# Altium PCB PCB2.PcbDoc
Units mil, origin at the board's own origin, x right, y up, seen from the top; angles counter-clockwise.
Board outline 6000 x 4000 mil, 2 copper layers (Top Layer, Bottom Layer); 163 components, 121 nets, 543 pads, 9 vias.
Unrouted connection lines stored in the file: 224.
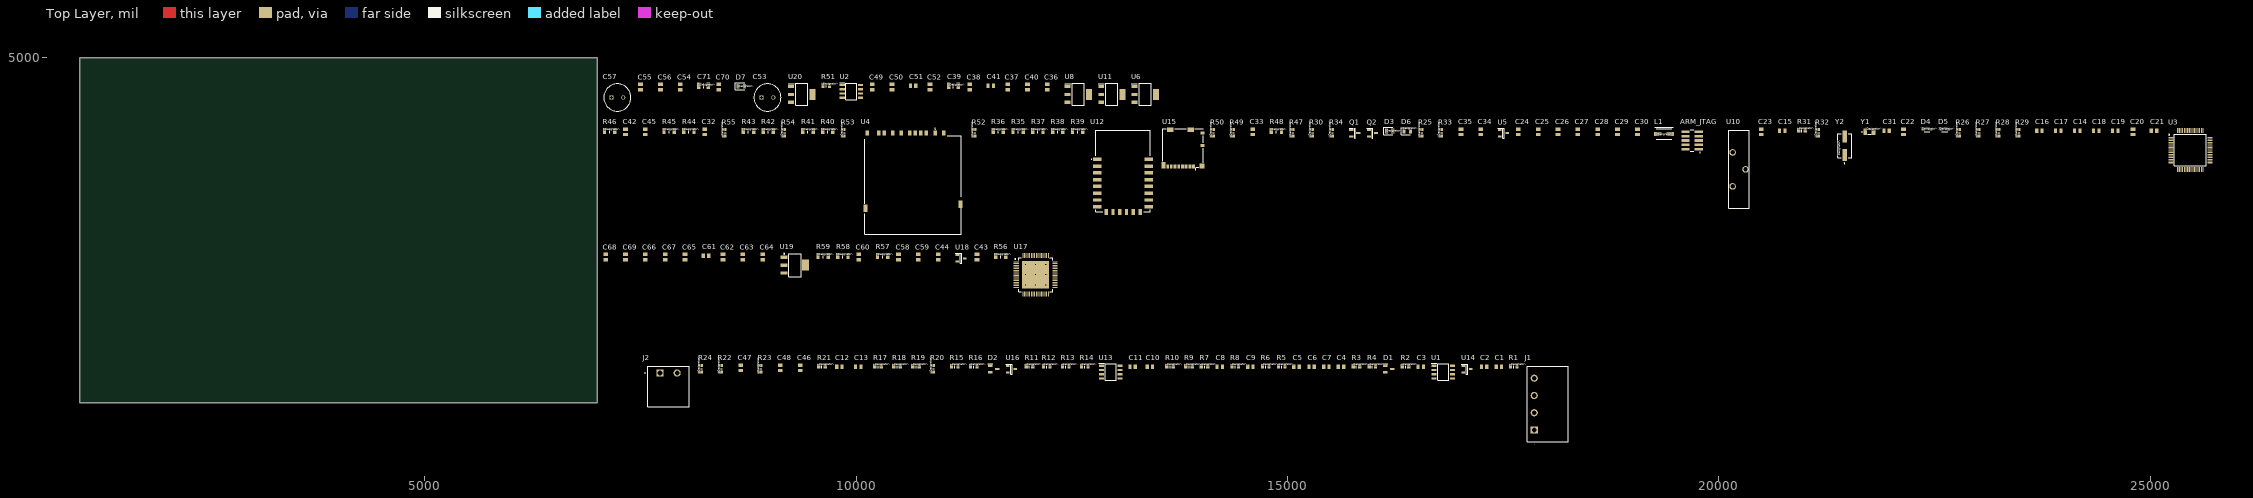
[diagram p0: Top Layer view]
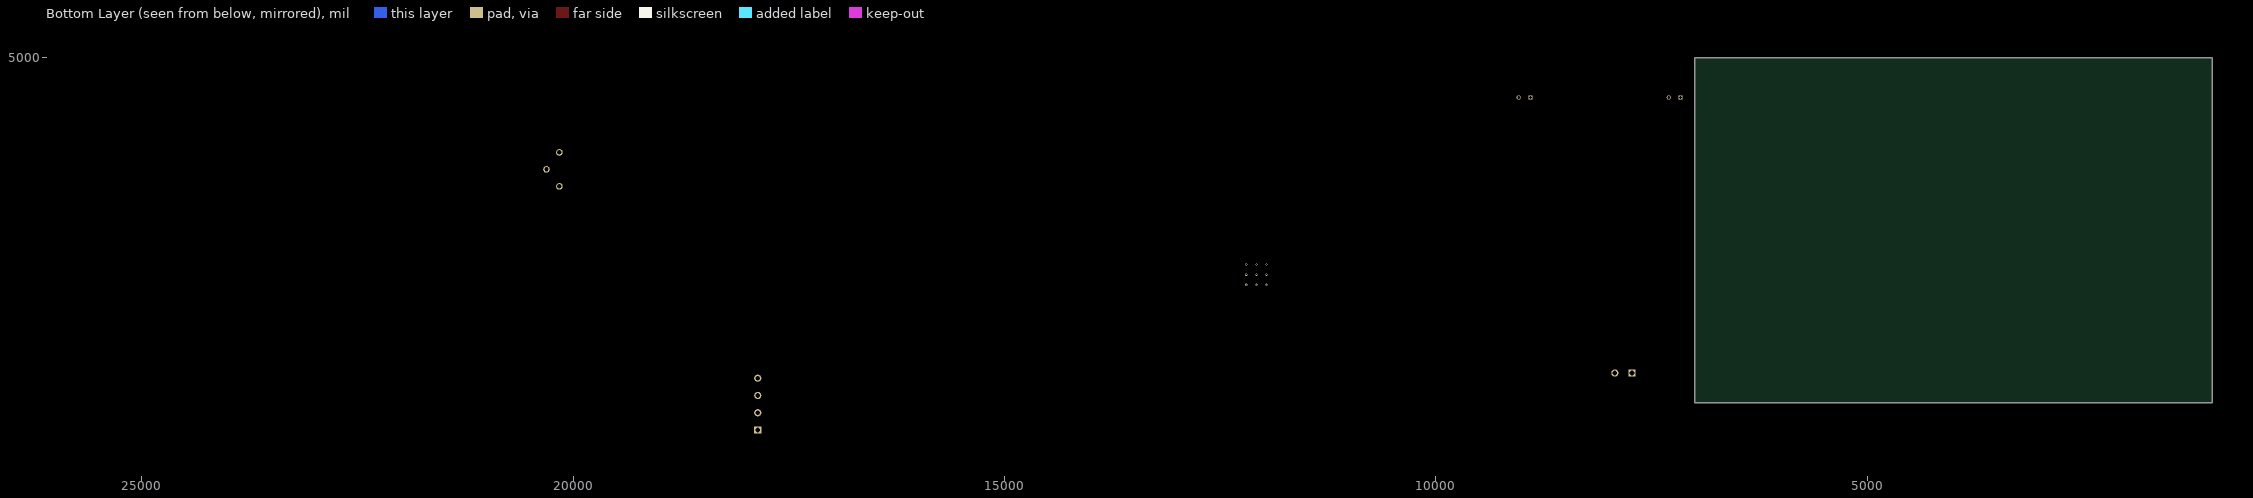
[diagram p1: Bottom Layer view, seen from below]

## Layer stack, top to bottom
Top Solder: solder mask 0.4, Solder Resist, Dk 3.5
Top Layer: signal copper 1.4
Dielectric 1: dielectric 12.6, FR-4, Dk 4.8
Bottom Layer: signal copper 1.4
Bottom Solder: solder mask 0.4, Solder Resist, Dk 3.5

## Board outline
1000,1000 7000,1000 7000,5000 1000,5000

## Design rules (kind name [scope] priority, off if disabled: settings)
Clearance [All] p1: gap=10 ignorepadtopadclearanceinfootprint=FALSE except(0: Arc-Hole Track-Hole SMDPad-Hole THPad-Hole Via-Hole Fill-Hole Poly-Hole Region-Hole Text-Hole)
PolygonConnect [All] p1: connectstyle=Relief reliefconductorwidth=10 reliefentries=4 polygonreliefangle="90 Angle" airgapwidth=10
RoomDefinition adc_chanels.b [InComponentClass('adc_chanels.b')] p1: confinementstyle=ConfineIn formatcopy=TRUE lockcomponents=FALSE outline 7510,470 18655,470 18655,1570 7510,1570
RoomDefinition arm [InComponentClass('arm')] p2: confinementstyle=ConfineIn formatcopy=TRUE lockcomponents=FALSE outline 7045,2905 25740,2905 25740,4305 7045,4305
RoomDefinition "adc ext" [InComponentClass('adc ext')] p3: confinementstyle=ConfineIn formatcopy=TRUE lockcomponents=FALSE outline 7045,2215 12350,2215 12350,2855 7045,2855
RoomDefinition supply [InComponentClass('supply')] p4: confinementstyle=ConfineIn formatcopy=TRUE lockcomponents=FALSE outline 7045,4355 13525,4355 13525,4825 7045,4825
RoutingVias [All] p1: holewidth=28 width=50 viastyle="Through Hole" minholewidth=28 minwidth=50 maxholewidth=28 maxwidth=50
SolderMaskExpansion [All] p1: expansion=4
Width [All] p1: maxlimit=10 minlimit=10 preferedwidth=10
30 further rules are at their usual default settings.

## Classes and differential pairs
component class arm: H1 H2 U9

## Components (designator, comment, footprint, x,y, rotation, side; value= is the part's Value field where it differs from the comment)
ARM_JTAG "20021121-00010C4LF" "conector jtag ok" 19690,4040 r90 top
C1 "CAP_GRM2195C1H103FA01D_MURATA" "CAP smd 0805 ok" 17455,1315 r0 top
C2 "CAP_GRM2195C1H103FA01D_MURATA" "CAP smd 0805 ok" 17285,1315 r0 top
C3 "CAP_CL21A106KOCL3RC" "CAP smd 0805 OK" 16550,1315 r0 top
C4 "CAP_CC0805KRX7R8BB104_YAGEO" "CAP smd 0805 ok" 15625,1315 r0 top
C5 "CAP_CC0805KKX7R7BB105_YAGEO" "CAP smd 0805 ok" 15110,1315 r0 top
C6 "CAP_CC0805KKX7R7BB105_YAGEO" "CAP smd 0805 ok" 15285,1315 r0 top
C7 "CAP_CL21A106KOCL3RC" "CAP smd 0805 OK" 15455,1315 r0 top
C8 "CAP_GRM2195C1H103FA01D_MURATA" "CAP smd 0805 ok" 14220,1315 r0 top
C9 "CAP_GRM2195C1H103FA01D_MURATA" "CAP smd 0805 ok" 14575,1315 r0 top
C10 "CAP_GRM2195C1H103FA01D_MURATA" "CAP smd 0805 ok" 13410,1315 r0 top
C11 "CAP_GRM2195C1H103FA01D_MURATA" "CAP smd 0805 ok" 13210,1315 r0 top
C12 "CAP_CC0805KKX7R7BB105_YAGEO" "CAP smd 0805 ok" 9810,1315 r0 top
C13 "CAP_CC0805KKX7R7BB105_YAGEO" "CAP smd 0805 ok" 10030,1315 r0 top
C14 "CAP_CC0805KRX7R8BB104_YAGEO" "CAP smd 0805 ok" 24160,4050 r0 top
C15 "CAP_C0805X150J5GACTU_KEMET" "CAP smd 0805 ok" 20740,4050 r0 top
C16 "CAP_CL21A106KOCL3RC" "CAP smd 0805 OK" 23720,4050 r0 top
C17 "CAP_CL21A106KOCL3RC" "CAP smd 0805 OK" 23940,4050 r0 top
C18 "CAP_CC0805KRX7R8BB104_YAGEO" "CAP smd 0805 ok" 24380,4050 r0 top
C19 "CAP_CC0805KRX7R8BB104_YAGEO" "CAP smd 0805 ok" 24600,4050 r0 top
C20 "CAP_CC0805KRX7R8BB104_YAGEO" "CAP smd 0805 ok" 24905,4145 r90 top
C21 "CAP_CC0805KRX7R8BB104_YAGEO" "CAP smd 0805 ok" 25050,4050 r0 top
C22 "CAP_C0805X150J5GACTU_KEMET" "CAP smd 0805 ok" 22245,4145 r90 top
C23 "CAP_C0805X150J5GACTU_KEMET" "CAP smd 0805 ok" 20595,4145 r90 top
C24 "CAP_CL21A106KOCL3RC" "CAP smd 0805 OK" 17780,4145 r90 top
C25 "CAP_CC0805KRX7R8BB104_YAGEO" "CAP smd 0805 ok" 18010,4145 r90 top
C26 "CAP_CC0805KRX7R8BB104_YAGEO" "CAP smd 0805 ok" 18240,4145 r90 top
C27 "CAP_CC0805KRX7R8BB104_YAGEO" "CAP smd 0805 ok" 18470,4145 r90 top
C28 "CAP_CC0805KRX7R8BB104_YAGEO" "CAP smd 0805 ok" 18700,4145 r90 top
C29 "CAP_CC0805KRX7R8BB104_YAGEO" "CAP smd 0805 ok" 18930,4145 r90 top
C30 "CAP_CC0805KRX7R8BB104_YAGEO" "CAP smd 0805 ok" 19160,4145 r90 top
C31 "CAP_C0805X150J5GACTU_KEMET" "CAP smd 0805 ok" 21950,4050 r0 top
C32 "CAP_CC0805KRX7R8BB104_YAGEO" "CAP smd 0805 ok" 8350,4145 r90 top
C33 "CAP_CC0805KRX7R8BB104_YAGEO" "CAP smd 0805 ok" 14700,4145 r90 top
C34 "CAP_CC0805KKX7R7BB105_YAGEO" "CAP smd 0805 ok" 17345,4145 r90 top
C35 "CAP_CC0805KKX7R7BB105_YAGEO" "CAP smd 0805 ok" 17115,4145 r90 top
C36 "CAP_CL21A106KOCL3RC" "CAP smd 0805 OK" 12320,4665 r90 top
C37 "CAP_CL21A106KOCL3RC" "CAP smd 0805 OK" 11860,4665 r90 top
C38 "CAP_CL21A106KOCL3RC" "CAP smd 0805 OK" 11420,4665 r90 top
C39 "CAP_CL31A106MBHNNNE" "cap smd 1206 ok" 11135,4870 r0 top
C40 "CAP_CL21A106KOCL3RC" "CAP smd 0805 OK" 12090,4665 r90 top
C41 "CAP_CL21A106KOCL3RC" "CAP smd 0805 OK" 11565,4570 r0 top
C42 "CAP_CL21A106KOCL3RC" "CAP smd 0805 OK" 7430,4145 r90 top
C43 "CAP_C0805C222K5RACTU" "CAP smd 0805 OK" 11505,2695 r90 top
C44 "CAP_C0805C222K5RACTU" "CAP smd 0805 OK" 11055,2695 r90 top
C45 "CAP_CC0805KRX7R8BB104_YAGEO" "CAP smd 0805 ok" 7660,4145 r90 top
C46 "CAP_CC0805KRX7R8BB104_YAGEO" "CAP smd 0805 ok" 9455,1410 r90 top
C47 "CAP_GRM2195C1H103FA01D_MURATA" "CAP smd 0805 ok" 8765,1410 r90 top
C48 "CAP_GRM2195C1H103FA01D_MURATA" "CAP smd 0805 ok" 9225,1410 r90 top
C49 "CAP_CC0805KRX7R8BB104_YAGEO" "CAP smd 0805 ok" 10290,4665 r90 top
C50 "CAP_CC0805KRX7R8BB104_YAGEO" "CAP smd 0805 ok" 10520,4665 r90 top
C51 "CAP_CC0805KRX7R8BB104_YAGEO" "CAP smd 0805 ok" 10665,4570 r0 top
C52 "CAP_CC0805KRX7R8BB104_YAGEO" "CAP smd 0805 ok" 10960,4665 r90 top
C53 "CAP_ESY107M050AG3AA_KEMET" "cap elec 8x11.5 ok" 8975,4535 r0 top
C54 "CAP_CC0805KRX7R8BB104_YAGEO" "CAP smd 0805 ok" 8065,4665 r90 top
C55 "CAP_CC0805KRX7R8BB104_YAGEO" "CAP smd 0805 ok" 7605,4665 r90 top
C56 "CAP_CC0805KRX7R8BB104_YAGEO" "CAP smd 0805 ok" 7835,4665 r90 top
C57 "CAP_ESY107M050AG3AA_KEMET" "cap elec 8x11.5 ok" 7235,4535 r0 top
C58 "CAP_CC0805KKX7R7BB105_YAGEO" "CAP smd 0805 ok" 10595,2695 r90 top
C59 "CAP_CC0805KKX7R7BB105_YAGEO" "CAP smd 0805 ok" 10825,2695 r90 top
C60 "CAP_CC0805KKX7R7BB105_YAGEO" "CAP smd 0805 ok" 10135,2695 r90 top
C61 "CAP_CL21A106KOCL3RC" "CAP smd 0805 OK" 8265,2600 r0 top
C62 "CAP_CL21A106KOCL3RC" "CAP smd 0805 OK" 8560,2695 r90 top
C63 "CAP_CL21A106KOCL3RC" "CAP smd 0805 OK" 8790,2695 r90 top
C64 "CAP_CL21A106KOCL3RC" "CAP smd 0805 OK" 9020,2695 r90 top
C65 "CAP_CL21A106KOCL3RC" "CAP smd 0805 OK" 8120,2695 r90 top
C66 "CAP_CL21A106KOCL3RC" "CAP smd 0805 OK" 7660,2695 r90 top
C67 "CAP_CL21A106KOCL3RC" "CAP smd 0805 OK" 7890,2695 r90 top
C68 "CAP_CL21A106KOCL3RC" "CAP smd 0805 OK" 7200,2695 r90 top
C69 "CAP_CL21A106KOCL3RC" "CAP smd 0805 OK" 7430,2695 r90 top
C70 "CAP_CL21A106KOCL3RC" "CAP smd 0805 OK" 8510,4665 r90 top
C71 "CAP_CL31A106MBHNNNE" "cap smd 1206 ok" 8240,4870 r0 top
D1 "BAS40-04-TP" "diode shockit ok" 16180,1390 r0 top
D2 "BAS40-04-TP" "diode shockit ok" 11600,1390 r0 top
D3 "150080RS75000" "Diode smd 0805 red ok" 16180,4245 r0 top
D4 "DB2J20900L" "Diode SMini2 ok" 22410,4170 r0 top
D5 "DB2J20900L" "Diode SMini2 ok" 22615,4170 r0 top
D6 "150080VS75000" "Diode smd 0805 green ok" 16385,4240 r0 top
D7 "150080YS75000" "Diode smd 0805 yellow ok" 8665,4765 r0 top
J1 "1757268" 1757268 17860,685 r90 top
J2 "1757242" 1757242 7725,1345 r0 top
L1 "CM453232-100KL" "Inductor smd 1812 ok" 19360,4275 r0 top
Q1 "MMBT2222ALT1G" "transistor led ok" 15780,4125 r0 top
Q2 "MMBT2222ALT1G" "transistor led ok" 15985,4125 r0 top
R1 "RC0805FR-074K7L" "res 0805 ok" 17625,1510 r0 top
R2 "RC0805FR-073K16L" "res 0805 ok" 16370,1510 r0 top
R3 "RC0805FR-079K31L" "res 0805 ok" 15800,1510 r0 top
R4 "RC0805FR-074K7L" "res 0805 ok" 15985,1510 r0 top
R5 "RC0805FR-073K16L" "res 0805 ok" 14935,1510 r0 top
R6 "RC0805FR-0710KL" "res 0805 ok" 14750,1510 r0 top
R7 "RC0805FR-074K7L" "res 0805 ok" 14040,1510 r0 top
R8 "RC0805FR-079K31L" "res 0805 ok" 14395,1510 r0 top
R9 "RC0805FR-0710KL" "res 0805 ok" 13860,1510 r0 top
R10 "RC0805FR-074K7L" "res 0805 ok" 13640,1510 r0 top
R11 "RC0805FR-07412KL" "res 0805 ok" 12010,1510 r0 top
R12 "RC0805FR-07412KL" "res 0805 ok" 12210,1510 r0 top
R13 "RC0805FR-07412KL" "res 0805 ok" 12430,1510 r0 top
R14 "RC0805FR-0715K8L" "res 0805 ok" 12650,1510 r0 top
R15 "RC0805FR-079K31L" "res 0805 ok" 11145,1510 r0 top
R16 "RC0805FR-074K7L" "res 0805 ok" 11365,1510 r0 top
R17 "RC0805FR-07412KL" "res 0805 ok" 10255,1510 r0 top
R18 "RC0805FR-07412KL" "res 0805 ok" 10475,1510 r0 top
R19 "RC0805FR-07412KL" "res 0805 ok" 10695,1510 r0 top
R20 "RC0805FR-0715K8L" "res 0805 ok" 10800,1395 r90 top
R21 "RC0805FR-0710KL" "res 0805 ok" 9605,1510 r0 top
R22 "RC0805FR-074K7L" "res 0805 ok" 8340,1395 r90 top
R23 "RC0805FR-079K31L" "res 0805 ok" 8800,1395 r90 top
R24 "RC0805FR-0710KL" "res 0805 ok" 8110,1395 r90 top
R25 "RC0805FR-07130RL" "res 0805 ok" 16460,4130 r90 top
R26 "AC0805JR-07100KL" "res 0805 ok" 22690,4130 r90 top
R27 "AC0805JR-07100KL" "res 0805 ok" 22920,4130 r90 top
R28 "AC0805JR-07100KL" "res 0805 ok" 23150,4130 r90 top
R29 "AC0805JR-07100KL" "res 0805 ok" 23380,4130 r90 top
R30 "RC0805JR-0710KL" "res 0805 ok" 15195,4130 r90 top
R31 "RC0805JR-0710KL" "res 0805 ok" 20965,4245 r0 top
R32 "RC0805JR-0710KL" "res 0805 ok" 21060,4130 r90 top
R33 "RC0805FR-07130RL" "res 0805 ok" 16690,4130 r90 top
R34 "RC0805JR-0710KL" "res 0805 ok" 15425,4130 r90 top
R35 "RC1206JR-0768KL" "Res 1206 ok" 11880,4260 r0 top
R36 "RC1206JR-0768KL" "Res 1206 ok" 11650,4260 r0 top
R37 "RC1206JR-0768KL" "Res 1206 ok" 12110,4260 r0 top
R38 "RC1206JR-0768KL" "Res 1206 ok" 12340,4260 r0 top
R39 "RC1206JR-0768KL" "Res 1206 ok" 12570,4260 r0 top
R40 "RC1206JR-07100RL" "Res 1206 ok" 9675,4260 r0 top
R41 "RC1206JR-07100RL" "Res 1206 ok" 9445,4260 r0 top
R42 "RC1206JR-07100RL" "Res 1206 ok" 8985,4260 r0 top
R43 "RC1206JR-07100RL" "Res 1206 ok" 8755,4260 r0 top
R44 "RC1206JR-07100RL" "Res 1206 ok" 8065,4260 r0 top
R45 "RC1206JR-07100RL" "Res 1206 ok" 7835,4260 r0 top
R46 "RC1206JR-07100RL" "Res 1206 ok" 7145,4260 r0 top
R47 "AC0805JR-07100KL" "res 0805 ok" 14965,4130 r90 top
R48 "RC1206JR-07180KL" "Res 1206 ok" 14875,4260 r0 top
R49 "RC0805JR-0722RL" "res 0805 ok" 14275,4130 r90 top
R50 "RC0805JR-0722RL" "res 0805 ok" 14045,4130 r90 top
R51 "RC0805FR-07130RL" "res 0805 ok" 9655,4765 r0 top
R52 "RC0805JR-0710KL" "res 0805 ok" 11280,4130 r90 top
R53 "RC0805JR-0710KL" "res 0805 ok" 9765,4130 r90 top
R54 "RC0805JR-0710KL" "res 0805 ok" 9075,4130 r90 top
R55 "RC0805JR-0710KL" "res 0805 ok" 8385,4130 r90 top
R56 "RC1206JR-07100RL" "Res 1206 ok" 11680,2810 r0 top
R57 "RC1206JR-07100RL" "Res 1206 ok" 10310,2810 r0 top
R58 "RC1206JR-07100RL" "Res 1206 ok" 9850,2810 r0 top
R59 "RC1206JR-07100RL" "Res 1206 ok" 9620,2810 r0 top
U1 "TLV2472CDR" "tlv2472 ok" 16610,1280 r0 top
U2 "LM2660MX/NOPB" "LM2660MX/NOPB ok" 9945,4610 r0 top
U3 "ATSAM4S8BA-AU" "arm ok" 25465,3930 r0 top
U4 "10067847-001RLF" "conector sd ok" 10660,3550 r0 top
U5 "ISL21010CFH330Z-TK" "3v reference ok" 17500,4120 r0 top
U6 "LM1117MP-3.3" "LM1117MP-3.3 ok" 13350,4575 r0 top
U8 "" "LM1117MP-5.0/NOPB ok" 12610,4580 r0 top
U10 "1074" pila 20220,3705 r90 top
U11 "LM1117MP-3.3" "LM1117MP-3.3 ok" 12965,4575 r0 top
U12 "esp8266 12f" "modulo wifi ok" 13095,3685 r0 top
U13 "TLV2472CDR" "tlv2472 ok" 12755,1280 r0 top
U14 "ISL21080CIH315Z-TK" "iso 1.5v ok" 17080,1390 r0 top
U15 "1040310811" "micro sd" 13795,3950 r0 top
U16 "ISL21080CIH315Z-TK" "iso 1.5v ok" 11800,1390 r0 top
U17 "ADS1174IPAPT" adc 12080,2485 r0 top
U18 "ISL21080CIH315Z-TK" "iso 1.5v ok" 11215,2675 r0 top
U19 "LM1117MP-1.8/NOPB" "1V8 ALIMENTACION" 9290,2590 r0 top
U20 "" "LM1117MP-5.0/NOPB ok" 9405,4580 r0 top
Y1 "ECS-.327-12.5-34S-TR" "clk 32k ok" 21745,4010 r0 top
Y2 "ECS-120-20-3X-TR" "clk 12M ok" 21230,3960 r90 top

## Footprints (in the part's own frame and the unit in brackets; to place one, negate y for a bottom-side part, rotate by r counter-clockwise, add the part's x,y. Pads: shape width x height; smd on the part's side, far side on the other; paste and mask are expansions set on the pad)
"1V8 ALIMENTACION" [mm]
  rect 2.05x1 smd: 1(-3.175,2.427) 2(-3.175,0.127) 3(-3.175,-2.173)
  rect 2.05x3.25 smd: 4(3.175,0.127)
  silkscreen extent -3.3,-3.22 1.85,3.6, body extent -3.5,-3.12 3.5,3.38, height 1.62
"3v reference ok" [mm]
  rect 1.1x0.6 smd: 1(-0.973,1.077) 2(-0.973,-0.823) 3(1.227,0.127)
  silkscreen extent -1.52,-1.33 0.33,1.63, body extent -1.06,-1.33 1.31,1.59, height 0.94
1757242 [mm]
  rect 2.1x2.1 hole 1.4: 1(0,0)
  round 2.1 hole 1.4: 2(5.08,0)
  silkscreen extent -4.4,-10 8.62,2, body extent -3.58,-10 8.58,2, height 8.89
1757268 [mm]
  rect 2.1x2.1 hole 1.4: 1(0,0)
  round 2.1 hole 1.4: 2(5.08,0) 3(10.16,0) 4(15.24,0)
  silkscreen extent -4.4,-10 18.74,2, body extent -3.33,-10 18.67,2, height 8.66
adc [mm]
  rect 1.5x0.3 smd mask+0: 1(-5.7,3.75) 2(-5.7,3.25) 3(-5.7,2.75) 4(-5.7,2.25) 5(-5.7,1.75) 6(-5.7,1.25) 7(-5.7,0.75) 8(-5.7,0.25) 9(-5.7,-0.25) 10(-5.7,-0.75) 11(-5.7,-1.25) 12(-5.7,-1.75) 13(-5.7,-2.25) 14(-5.7,-2.75) 15(-5.7,-3.25) 16(-5.7,-3.75) 33(5.7,-3.75) 34(5.7,-3.25) 35(5.7,-2.75) 36(5.7,-2.25) 37(5.7,-1.75) 38(5.7,-1.25) 39(5.7,-0.75) 40(5.7,-0.25) 41(5.7,0.25) 42(5.7,0.75) 43(5.7,1.25) 44(5.7,1.75) 45(5.7,2.25) 46(5.7,2.75) 47(5.7,3.25) 48(5.7,3.75)
  rect 0.3x1.5 smd mask+0: 17(-3.75,-5.7) 18(-3.25,-5.7) 19(-2.75,-5.7) 20(-2.25,-5.7) 21(-1.75,-5.7) 22(-1.25,-5.7) 23(-0.75,-5.7) 24(-0.25,-5.7) 25(0.25,-5.7) 26(0.75,-5.7) 27(1.25,-5.7) 28(1.75,-5.7) 29(2.25,-5.7) 30(2.75,-5.7) 31(3.25,-5.7) 32(3.75,-5.7) 49(3.75,5.7) 50(3.25,5.7) 51(2.75,5.7) 52(2.25,5.7) 53(1.75,5.7) 54(1.25,5.7) 55(0.75,5.7) 56(0.25,5.7) 57(-0.25,5.7) 58(-0.75,5.7) 59(-1.25,5.7) 60(-1.75,5.7) 61(-2.25,5.7) 62(-2.75,5.7) 63(-3.25,5.7) 64(-3.75,5.7)
  rect 8.026x8.026 smd paste-5 mask+0: 65(0,0)
  silkscreen extent -6.1,-5 5,5, body extent -6,-6 6,6, height 1.2
"arm ok" [mm]
  rect 1.475x0.3 smd: 1(-5.738,3.75) 2(-5.738,3.25) 3(-5.738,2.75) 4(-5.738,2.25) 5(-5.738,1.75) 6(-5.738,1.25) 7(-5.738,0.75) 8(-5.738,0.25) 9(-5.738,-0.25) 10(-5.738,-0.75) 11(-5.738,-1.25) 12(-5.738,-1.75) 13(-5.738,-2.25) 14(-5.738,-2.75) 15(-5.738,-3.25) 16(-5.738,-3.75) 33(5.738,-3.75) 34(5.738,-3.25) 35(5.738,-2.75) 36(5.738,-2.25) 37(5.738,-1.75) 38(5.738,-1.25) 39(5.738,-0.75) 40(5.738,-0.25) 41(5.738,0.25) 42(5.738,0.75) 43(5.738,1.25) 44(5.738,1.75) 45(5.738,2.25) 46(5.738,2.75) 47(5.738,3.25) 48(5.738,3.75)
  rect 0.3x1.475 smd: 17(-3.75,-5.738) 18(-3.25,-5.738) 19(-2.75,-5.738) 20(-2.25,-5.738) 21(-1.75,-5.738) 22(-1.25,-5.738) 23(-0.75,-5.738) 24(-0.25,-5.738) 25(0.25,-5.738) 26(0.75,-5.738) 27(1.25,-5.738) 28(1.75,-5.738) 29(2.25,-5.738) 30(2.75,-5.738) 31(3.25,-5.738) 32(3.75,-5.738) 49(3.75,5.738) 50(3.25,5.738) 51(2.75,5.738) 52(2.25,5.738) 53(1.75,5.738) 54(1.25,5.738) 55(0.75,5.738) 56(0.25,5.738) 57(-0.25,5.738) 58(-0.75,5.738) 59(-1.25,5.738) 60(-1.75,5.738) 61(-2.25,5.738) 62(-2.75,5.738) 63(-3.25,5.738) 64(-3.75,5.738)
  silkscreen extent -6.35,-4.65 4.65,4.65, body extent -6,-6 6,6, height 1.6
"cap elec 8x11.5 ok" [mm]
  rect 1.2x1.2 hole 0.8: 1(-1.829,0.102)
  round 1.2 hole 0.8: 2(1.671,0.102)
  silkscreen extent -4.08,-3.9 3.92,4.1, body extent -4.33,-4.15 4.17,4.35, height 12.5
"CAP smd 0805 ok" [mm]
  rect 0.96x1.39 smd: 1(-0.917,2.642) 2(0.663,2.642)
  body extent -1.13,2.02 0.87,3.27, height 0.95
"CAP smd 0805 OK" [mm]
  rect 0.96x1.39 smd: 1(-0.917,2.642) 2(0.663,2.642)
  body extent -1.13,2.02 0.87,3.27, height 0.95
"cap smd 1206 ok" [mm]
  rect 1.05x1.82 smd: 1(-1.593,-4.928) 2(1.187,-4.928)
  silkscreen extent -0.2,-5.63 -0.2,-4.23, body extent -1.8,-5.73 1.4,-4.13, height 1.8
"clk 12M ok" [mm]
  rect 3.5x1.2 smd: 1(-2.231,-5.842) 2(3.269,-5.842)
  silkscreen extent -4.78,-7.89 4.02,-3.79, body extent -3.29,-7.78 4.31,-3.68, height 2.31
"clk 32k ok" [mm]
  rect 1.1x1.9 smd: 1(-1.25,3.302) 2(1.25,3.302)
  silkscreen extent -2.3,2.55 0.5,4.05, body extent -1.6,2.55 1.6,4.05, height 0.92
"conector jtag ok" [mm]
  rect 0.76x2.4 smd: 1(-2.54,-1.95) 2(-2.54,1.95) 3(-1.27,-1.95) 4(-1.27,1.95) 5(0,-1.95) 6(0,1.95) 7(1.27,-1.95) 8(1.27,1.95) 9(2.54,-1.95) 10(2.54,1.95)
  silkscreen extent -3.6,-2.4 3.17,0.5, body extent -3.2,-2.75 3.15,2.75, height 4.55
"conector sd ok" [mm]
  rect 1x1.5 smd: 1(6.475,14.652) 2(3.925,14.652) 3(0.675,14.652) 4(-1.025,14.652) 5(-3.525,14.652) 6(-6.025,14.652) 7(-8.45,14.652) 8(-10.15,14.652) 9(8.975,14.652) CD1(2.275,14.652) WP1(-13.5,14.652)
  rect 1.2x2.2 smd: G1(14,-6.348) G2(-14,-7.548)
  round 0.75 hole 1.5 unplated: MH1(-12.5,-9.648) MH2(11.7,-9.648)
  silkscreen extent -14.25,-15.15 14.25,16.03, body extent -14.23,-15 14.23,15.25, height 2.9
"diode shockit ok" [mm]
  rect 1.35x0.65 smd: 1(-1.15,0.985) 2(-1.15,-0.935) 3(0.85,0.025)
  silkscreen extent -1.83,1.56 -0.48,1.56, body extent -1.32,-1.43 1.08,1.47, height 1.01
"Diode smd 0805 green ok" [mm]
  rect 0.9x1.4 smd: 1(-0.9,-2.35) 2(1,-2.35)
  silkscreen extent -1.7,-3.4 1,-1.3, body extent -1,-2.95 1,-1.7, height 1.11
"Diode smd 0805 red ok" [mm]
  rect 0.9x1.4 smd: 1(-0.875,-2.4) 2(1.025,-2.4)
  silkscreen extent -1.67,-3.45 1.03,-1.35, body extent -0.95,-2.97 1.05,-1.73, height 1.11
"Diode smd 0805 yellow ok" [mm]
  rect 0.9x1.4 smd: 1(-0.85,-2.4) 2(1.05,-2.4)
  silkscreen extent -1.65,-3.45 1.05,-1.35
"Diode SMini2 ok" [mm]
  rect 0.99x0.47 smd: 1(-0.975,-0.15) 2(1.175,-0.15)
  silkscreen extent -1.47,-0.77 0.95,0.48, body extent -1.15,-0.77 1.35,0.48, height 0.8
"Inductor smd 1812 ok" [mm]
  rect 2.15x1.25 smd: 1(-1.723,-4.064) 2(1.977,-4.064)
  silkscreen extent -2.67,-5.66 2.79,-2.03, body extent -2.12,-5.66 2.38,-2.46, height 3.4
"iso 1.5v ok" [mm]
  rect 1.1x0.6 smd: 1(-1.1,0.95) 2(-1.1,-0.95) 3(1.1,0)
  silkscreen extent -1.65,-1.46 0.2,1.5, body extent -1.18,-1.46 1.18,1.46, height 1.12
"LM1117MP-3.3 ok" [mm]
  rect 1.75x0.95 smd: 1(-3.15,2.3) 2(-3.15,0) 3(-3.15,-2.3)
  rect 1.75x3.2 smd: 4(3.15,0)
  silkscreen extent -4.03,-3.25 1.75,3.25, body extent -3.5,-3.25 3.5,3.25, height 1.68
"LM1117MP-5.0/NOPB ok" [mm]
  rect 1.75x0.95 smd: 1(-4.039,2.173) 2(-4.039,-0.127) 3(-4.039,-2.427)
  rect 1.75x3.2 smd: 4(2.261,-0.127)
  silkscreen extent -4.91,-3.38 0.86,3.12, body extent -4.39,-3.38 2.61,3.12, height 1.68
"LM2660MX/NOPB ok" [mm]
  rect 1.528x0.65 smd: 1(-2.711,1.905) 2(-2.711,0.635) 3(-2.711,-0.635) 4(-2.711,-1.905) 5(2.711,-1.905) 6(2.711,-0.635) 7(2.711,0.635) 8(2.711,1.905)
  silkscreen extent -3.47,-2.45 1.6,2.58, body extent -3.01,-2.45 3.01,2.45, height 1.63
"micro sd" [mm]
  rect 0.85x1.1 smd: 1(2.978,-5.338) 2(1.878,-5.338) 3(0.778,-5.338) 4(-0.322,-5.338) 5(-1.422,-5.338) 6(-2.522,-5.338) 7(-3.622,-5.338)
  rect 0.75x1.1 smd: 8(-4.672,-5.338)
  rect 1.17x1.8 smd: 9(-5.882,-4.988)
  rect 1.9x1.35 smd: 10(-3.857,5.487) 11(2.113,5.487)
  rect 1.2x1 smd: 12(5.613,4.512) 13(5.613,0.812)
  rect 1.55x1.35 smd: 14(5.438,-5.213)
  silkscreen extent -6.1,-6.31 5.85,5.81, body extent -6,-5.47 5.95,5.93, height 1.44
"modulo wifi ok" [mm]
  rect 2.5x1 smd: 1(-7.6,3.5) 2(-7.6,1.5) 3(-7.6,-0.5) 4(-7.6,-2.5) 5(-7.6,-4.5) 6(-7.6,-6.5) 7(-7.6,-8.5) 8(-7.6,-10.5) 15(7.6,-10.5) 16(7.6,-8.5) 17(7.6,-6.5) 18(7.6,-4.5) 19(7.6,-2.5) 20(7.6,-0.5) 21(7.6,1.5) 22(7.6,3.5)
  rect 1x1.8 smd: 9(-5,-12) 10(-3,-12) 11(-1,-12) 12(1,-12) 13(3,-12) 14(5,-12)
  silkscreen extent -9.4,-12 8,12, body extent -8,-12 8,12, height 3.1
pila [mm]
  round 1.95 hole 1.3: 1(-5,1.524) 2(0,-2.276) 3(5,1.524)
  silkscreen extent -11.5,-3.43 11.5,2.67, body extent -11.5,-3.43 11.5,2.67, height 24.68
"res 0805 ok" [mm]
  rect 0.95x1.4 smd: 1(-0.975,-2.21) 2(0.925,-2.21)
  silkscreen extent -0.03,-2.73 -0.03,-1.68, body extent -1.03,-2.83 0.97,-1.58, height 0.6
"Res 1206 ok" [mm]
  rect 1x1.75 smd: 1(-1.576,-2.769) 2(1.424,-2.769)
  silkscreen extent -0.08,-3.47 -0.08,-2.07, body extent -1.63,-3.57 1.47,-1.97, height 0.65
"tlv2472 ok" [mm]
  rect 1.525x0.65 smd: 1(2.241,3.81) 2(2.241,2.54) 3(2.241,1.27) 4(2.241,0) 5(7.665,0) 6(7.665,1.27) 7(7.665,2.54) 8(7.665,3.81)
  silkscreen extent 1.48,-0.55 6.55,4.48, body extent 1.95,-0.55 7.95,4.36, height 1.75
"transistor led ok" [mm]
  rect 1.25x0.6 smd: 1(-1.05,0.955) 2(-1.05,-0.955) 3(1.05,0)
  silkscreen extent -1.68,-1.46 0.08,1.51, body extent -1.18,-1.46 1.18,1.46, height 1.11

## Part data
ARM_JTAG: "Conn Unshrouded Header HDR 10 POS 1.27mm Solder ST Top Entry SMD Minitek127® T/R", Manufacturer 1="Amphenol ICC / FCI", Supplier Part Number 1=609-3695-1-ND, ComponentLink1Description=https://datasheet.ciiva.com/11749/0900766b8118d62a-11749057.pdf?src-supplier=RSComponents, ComponentLink1URL=https://datasheet.ciiva.com/11749/0900766b8118d62a-11749057.pdf?src-supplier=RSComponents, Manufacturer Part Number 1=20021121-00010C4LF, Pricing 1="1=0,91000, 10=0,76900, 100=0,69070 (USD)", RoHS=No, Stock 1=0, Supplier 1=Digi-Key
C1 C2 C8 C9 C10 C11 C47 C48: "0805 10 nF 50 V ±1% Tolerance C0G SMD Multilayer Ceramic Capacitor", Capacitance=10nF, Case/Package=0805, Case Code (Metric)=2012, Dielectric=C0G, Manufacturer 1=Murata, Manufacturer Part Number 1=GRM2195C1H103FA01D, Max Operating Temperature=125°C, Min Operating Temperature=-55°C, Package Quantity=4000, Temperature Coefficient=30ppm/°C, Tolerance=1%, Voltage=50V, Case Code (Imperial)=0805, ComponentLink1Description=https://datasheet.ciiva.com/29542/partnumbering-e-01-29542571.pdf?src-supplier=Digi-Key, ComponentLink1URL=https://datasheet.ciiva.com/29542/partnumbering-e-01-29542571.pdf?src-supplier=Digi-Key, ComponentLink2Description=https://datasheet.ciiva.com/29542/partnumbering-e-01-29542569.pdf?src-supplier=Digi-Key, ComponentLink2URL=https://datasheet.ciiva.com/29542/partnumbering-e-01-29542569.pdf?src-supplier=Digi-Key, ComponentLink3Description=https://datasheet.ciiva.com/29542/partnumbering-e-01-29542570.pdf?src-supplier=Digi-Key, ComponentLink3URL=https://datasheet.ciiva.com/29542/partnumbering-e-01-29542570.pdf?src-supplier=Digi-Key, ComponentLink4Description=https://datasheet.ciiva.com/17452/c02e-17452856.pdf?src-supplier=Avnet+Europe, ComponentLink4URL=https://datasheet.ciiva.com/17452/c02e-17452856.pdf?src-supplier=Avnet+Europe, ComponentLink5Description=https://datasheet.ciiva.com/16497/c02e-16497047.pdf?src-supplier=Future+Electronics, ComponentLink5URL=https://datasheet.ciiva.com/16497/c02e-16497047.pdf?src-supplier=Future+Electronics, Construction=Flat, Depth=1.25mm, Height=0.85mm, Lead Free="Lead Free", Length=2mm, Mount="Surface Mount", Packaging="Tape and Reel", Pricing 1="1=0,54310 (USD)", Radiation Hardening=No, REACH SVHC="No SVHC", RoHS=Yes, RoHS Compliant=Yes, Series=GRM, Stock 1=3, Supplier 1="Arrow Electronics", Supplier Part Number 1=GRM2195C1H103FA01D, Termination=SMD/SMT, Thickness=0.037inch, Voltage Rating=50V, Voltage Rating (DC)=50V, Width=1.25mm
C3 C7 C16 C17 C24 C36 C37 C38 C40 C41 C42 C61 C62 C63 C64 C65 C66 C67 C68 C69 C70: "CAP CER 10UF 16V X5R 0805", Capacitance=10uF, Case/Package=0805, Case Code (Metric)=2012, Manufacturer 1=Samsung, Manufacturer Part Number 1=CL21A106KOCL3RC, Max Operating Temperature=85°C, Min Operating Temperature=-55°C, Package Quantity=1, Supplier Part Number 1=1276-2398-2-ND, Tolerance=10%, Voltage Rating=16V, Case Code (Imperial)=0805, ComponentLink1Description=https://datasheet.ciiva.com/25796/cl21a106kocl3rc-25796224.pdf?src-supplier=Digi-Key, ComponentLink1URL=https://datasheet.ciiva.com/25796/cl21a106kocl3rc-25796224.pdf?src-supplier=Digi-Key, Length=0.079inch, Mount="Surface Mount", Packaging="Tape and Reel", RoHS=Yes, RoHS Compliant=Yes, Series=CL, Stock 1=0, Supplier 1=Digi-Key, Thickness=0.037inch, Width=0.049inch
C4 C14 C18 C19 C20 C21 C25 C26 C27 C28 C29 C30 C32 C33 C45 C46 C49 C50 C51 C52 C54 C55 C56: "CAPACITOR, 0805, 100NF, 25V, REEL 4000", Capacitance=0.1uF, Case/Package=0805, Case Code (Metric)=2012, Dielectric=X7R, Insulation Resistance=100GR, Manufacturer 1=Yageo, Manufacturer Part Number 1=CC0805KRX7R8BB104, Max Operating Temperature=125°C, Min Operating Temperature=-55°C, Package Quantity=1, Resistor Type=Ceramic, Supplier Part Number 1=311-1141-1-ND, Tolerance=10%, Voltage Rating=25V, Case Code (Imperial)=0805, ComponentLink1Description=https://datasheet.ciiva.com/8034/70765-8034031.pdf?src-supplier=Element14, ComponentLink1URL=https://datasheet.ciiva.com/8034/70765-8034031.pdf?src-supplier=Element14, ComponentLink2Description=https://datasheet.ciiva.com/28450/1489800-28450789.pdf?src-supplier=Element14, ComponentLink2URL=https://datasheet.ciiva.com/28450/1489800-28450789.pdf?src-supplier=Element14, ComponentLink3Description=https://datasheet.ciiva.com/46430/1850775-46430166.pdf?src-supplier=Element14, ComponentLink3URL=https://datasheet.ciiva.com/46430/1850775-46430166.pdf?src-supplier=Element14, ComponentLink4Description=https://datasheet.ciiva.com/145/mlccorderingcode-145008.pdf?src-supplier=Digi-Key, ComponentLink4URL=https://datasheet.ciiva.com/145/mlccorderingcode-145008.pdf?src-supplier=Digi-Key, ComponentLink5Description=https://datasheet.ciiva.com/145/mlccorderingcode-145007.pdf?src-supplier=Digi-Key, ComponentLink5URL=https://datasheet.ciiva.com/145/mlccorderingcode-145007.pdf?src-supplier=Digi-Key, ComponentLink6Description=https://datasheet.ciiva.com/145/mlccorderingcode-145009.pdf?src-supplier=Digi-Key, ComponentLink6URL=https://datasheet.ciiva.com/145/mlccorderingcode-145009.pdf?src-supplier=Digi-Key, ComponentLink7Description=https://datasheet.ciiva.com/8034/1784427-8034030.pdf?src-supplier=Element14, ComponentLink7URL=https://datasheet.ciiva.com/8034/1784427-8034030.pdf?src-supplier=Element14, ComponentLink8Description=https://datasheet.ciiva.com/8034/1784427-8034029.pdf?src-supplier=Element14, ComponentLink8URL=https://datasheet.ciiva.com/8034/1784427-8034029.pdf?src-supplier=Element14, ComponentLink9Description=https://datasheet.ciiva.com/15189/getdatasheetpartid-330244-15189223.pdf?src-supplier=Verical, ComponentLink9URL=https://datasheet.ciiva.com/15189/getdatasheetpartid-330244-15189223.pdf?src-supplier=Verical, ComponentLink10Description=https://datasheet.ciiva.com/16625/upy-gphc-x7r-6-3v-to-50v-8-16625546.pdf?src-supplier=Avnet+Europe, ComponentLink10URL=https://datasheet.ciiva.com/16625/upy-gphc-x7r-6-3v-to-50v-8-16625546.pdf?src-supplier=Avnet+Europe, Depth=1.25mm, Halogen Free="Halogen Free", Height=0.85mm, Lead Free="Lead Free", Length=2mm, Material=Ceramic, Mount="Surface Mount", Number of Pins=2, Packaging="Tape and Reel", Pricing 1="1=0,12000, 10=0,08800, 50=0,04980, 100=0,04130, 500=0,02894, 1000=0,02396 (USD)", Radiation Hardening=No, REACH SVHC="No SVHC", RoHS=Yes, RoHS Compliant=Yes, Series=CC, Stock 1=278639, Supplier 1=Digi-Key, Termination=SMD/SMT, Thickness=0.033inch, Voltage Rating (DC)=25V, Width=0.049inch
C5 C6 C12 C13 C34 C35 C58 C59 C60: "YAGEO   CC0805KKX7R7BB105   CERAMIC CAPACITOR, 1UF, 16V, X7R, 10%, 0805", Capacitance=1uF, Case/Package=0805, Case Code (Metric)=2012, Dielectric=X7R, Manufacturer 1=Yageo, Manufacturer Part Number 1=CC0805KKX7R7BB105, Max Operating Temperature=125°C, Min Operating Temperature=-55°C, Package Quantity=1, Supplier Part Number 1=311-1365-1-ND, Tolerance=10%, Voltage Rating=16V, Case Code (Imperial)=0805, ComponentLink1Description=https://datasheet.ciiva.com/144/mlccorderingcode-144902.pdf?src-supplier=Digi-Key, ComponentLink1URL=https://datasheet.ciiva.com/144/mlccorderingcode-144902.pdf?src-supplier=Digi-Key, ComponentLink2Description=https://datasheet.ciiva.com/144/mlccorderingcode-144903.pdf?src-supplier=Digi-Key, ComponentLink2URL=https://datasheet.ciiva.com/144/mlccorderingcode-144903.pdf?src-supplier=Digi-Key, ComponentLink3Description=https://datasheet.ciiva.com/144/mlccorderingcode-144904.pdf?src-supplier=Digi-Key, ComponentLink3URL=https://datasheet.ciiva.com/144/mlccorderingcode-144904.pdf?src-supplier=Digi-Key, ComponentLink4Description=https://datasheet.ciiva.com/11464/upy-gphc-x7r-6-3v-to-50v-8-11464750.pdf?src-supplier=Avnet, ComponentLink4URL=https://datasheet.ciiva.com/11464/upy-gphc-x7r-6-3v-to-50v-8-11464750.pdf?src-supplier=Avnet, ComponentLink5Description=https://datasheet.ciiva.com/13173/upy-gp-np0-16v-to-50v-8-3714-13173254.pdf?src-supplier=Mouser, ComponentLink5URL=https://datasheet.ciiva.com/13173/upy-gp-np0-16v-to-50v-8-3714-13173254.pdf?src-supplier=Mouser, ComponentLink6Description=https://datasheet.ciiva.com/7978/1489800-7978201.pdf?src-supplier=Element14, ComponentLink6URL=https://datasheet.ciiva.com/7978/1489800-7978201.pdf?src-supplier=Element14, ComponentLink7Description=https://datasheet.ciiva.com/28450/1489800-28450750.pdf?src-supplier=Element14, ComponentLink7URL=https://datasheet.ciiva.com/28450/1489800-28450750.pdf?src-supplier=Element14, ComponentLink8Description=https://datasheet.ciiva.com/15189/getdatasheetpartid-251802-15189206.pdf?src-supplier=Verical, ComponentLink8URL=https://datasheet.ciiva.com/15189/getdatasheetpartid-251802-15189206.pdf?src-supplier=Verical, Depth=1.25mm, Halogen Free="Halogen Free", Lead Free="Lead Free", Length=2mm, Mount="Surface Mount", Packaging="Tape and Reel", Pricing 1="1=0,16000, 10=0,11700, 50=0,06640, 100=0,05500, 500=0,03858, 1000=0,03194 (USD)", Radiation Hardening=No, REACH SVHC="No SVHC", RoHS=Yes, RoHS Compliant=Yes, Series=CC, Stock 1=516899, Supplier 1=Digi-Key, Termination=SMD/SMT, Thickness=0.049inch, Voltage Rating (DC)=16V, Width=0.049inch
C15 C22 C23 C31: "Multilayer Ceramic Capacitors MLCC - SMD/SMT 50volts 15pF 5% C0G", Capacitance=15pF, Case/Package=0805, Case Code (Metric)=2012, Dielectric=C0G, Dielectric Material=Ceramic, Manufacturer 1=KEMET, Manufacturer Part Number 1=C0805X150J5GACTU, Max Operating Temperature=125°C, Min Operating Temperature=-55°C, Package Quantity=4000, Supplier Part Number 1=399-7428-1-ND, Tolerance=5%, Voltage Rating=50V, Case Code (Imperial)=0805, ComponentLink1Description=http://www.mouser.com/ds/2/212/KEM_C1062_C0G_FT-CAP_SMD-1101746.pdf?src-supplier=Mouser, ComponentLink1URL=http://www.mouser.com/ds/2/212/KEM_C1062_C0G_FT-CAP_SMD-1101746.pdf?src-supplier=Mouser, ComponentLink2Description=http://www.kemet.com/kemet/web/homepage/kechome.nsf/file/KEM_C1062_C0G_FT-CAP_SMD.pdf/$file/KEM_C1062_C0G_FT-CAP_SMD.pdf?src-supplier=Avnet, ComponentLink2URL=http://www.kemet.com/kemet/web/homepage/kechome.nsf/file/KEM_C1062_C0G_FT-CAP_SMD.pdf/$file/KEM_C1062_C0G_FT-CAP_SMD.pdf?src-supplier=Avnet, ComponentLink3Description=https://search.kemet.com/component-edge/download/specsheet/C0805X150J5GACTU.pdf?src-supplier=Digi-Key, ComponentLink3URL=https://search.kemet.com/component-edge/download/specsheet/C0805X150J5GACTU.pdf?src-supplier=Digi-Key, Construction=Flat, Depth=1.25mm, Features="Soft Termination", Height=0.78mm, Lead Free="Lead Free", Length=0.083inch, Mount="Surface Mount", Packaging="Tape and Reel", Pricing 1="1=0,33000, 10=0,23100, 50=0,16160, 100=0,13860, 500=0,10396, 1000=0,08778 (USD)", Radiation Hardening=No, RoHS=Yes, RoHS Compliant=Yes, Series=FT-CAP, Stock 1=2348, Supplier 1=Digi-Key, Termination=SMD/SMT, Thickness=0.035inch, Voltage Rating (DC)=50V, Width=1.25mm
C39 C71: "Cap Ceramic 10uF 50V X5R 20% Pad SMD 1206 85°C T/R", Capacitance=10uF, Case/Package=1206, Case Code (Metric)=3216, Dielectric=X5R, Manufacturer 1=Samsung, Manufacturer Part Number 1=CL31A106MBHNNNE, Max Operating Temperature=85°C, Min Operating Temperature=-55°C, Supplier Part Number 1=1276-6736-1-ND, Tolerance=20%, Voltage Rating=50V, Case Code (Imperial)=1206, ComponentLink1Description=http://www.samsungsem.com/kr/support/product-search/mlcc/CL31A106MBHNNNE.jsp?src-supplier=Digi-Key, ComponentLink1URL=http://www.samsungsem.com/kr/support/product-search/mlcc/CL31A106MBHNNNE.jsp?src-supplier=Digi-Key, Length=0.126inch, Mount="Surface Mount", Packaging="Tape and Reel", Pricing 1="1=0,31000, 10=0,21300, 50=0,14200, 100=0,12070, 500=0,08520, 1000=0,07455 (USD)", RoHS=Yes, RoHS Compliant=Yes, Stock 1=1423422, Supplier 1=Digi-Key, Thickness=0.071inch, Voltage Rating (DC)=50V, Width=0.063inch
C43 C44: "Cap Ceramic 0.0022uF 50V X7R 10% SMD 0805 125°C Paper T/R", Capacitance=2.2nF, Case/Package=0805, Case Code (Metric)=2012, Dielectric=X7R, Dielectric Material=Ceramic, Manufacturer 1=KEMET, Manufacturer Part Number 1=C0805C222K5RACTU, Max Operating Temperature=125°C, Min Operating Temperature=-55°C, Package Quantity=1, Supplier Part Number 1=399-1151-1-ND, Tolerance=10%, Voltage=50V, Case Code (Imperial)=0805, ComponentLink1Description=https://datasheet.ciiva.com/28584/kem-c1002-x7r-smd-28584143.pdf?src-supplier=Element14, ComponentLink1URL=https://datasheet.ciiva.com/28584/kem-c1002-x7r-smd-28584143.pdf?src-supplier=Element14, ComponentLink2Description=https://datasheet.ciiva.com/28692/1851736-28692973.pdf?src-supplier=Element14, ComponentLink2URL=https://datasheet.ciiva.com/28692/1851736-28692973.pdf?src-supplier=Element14, Construction=Flat, Depth=1.25mm, Dissipation Factor=2.5%, Height=0.78mm, Lead Pitch=0.75mm, Length=2mm, Mount="Surface Mount,PCB", Number of Pins=2, Packaging="Tape and Reel", Pricing 1="1=0,10000, 10=0,05400, 50=0,02960, 100=0,02420, 500=0,01730, 1000=0,01360 (USD)", Radiation Hardening=No, REACH SVHC="No SVHC", RoHS=Yes, RoHS Compliant=Yes, Series=C, Stock 1=26149, Supplier 1=Digi-Key, Termination=SMD/SMT, Thickness=0.035inch, Voltage Rating=50V, Voltage Rating (DC)=50V, Width=0.049inch
C53 C57: "KEMET - ESY107M050AG3AA - Elektrolytkondensator, 100 µF, 50 V, Produktreihe ESY, ± 20%, Radial bedrahtet, 8 mm", Capacitance=100uF, Case/Package=Radial, Dielectric Material=Aluminium, ESR (Equivalent Series Resistance)=74mR, Leakage Current=50uA, Manufacturer 1=KEMET, Manufacturer Part Number 1=ESY107M050AG3AA, Max Operating Temperature=105°C, Min Operating Temperature=-40°C, Package Quantity=6000, Ripple Current=511mA, Supplier Part Number 1=399-6119-ND, Tolerance=20%, Voltage=50V, ComponentLink1Description=http://www.farnell.com/datasheets/2751412.pdf?src-supplier=Farnell, ComponentLink1URL=http://www.farnell.com/datasheets/2751412.pdf?src-supplier=Farnell, ComponentLink2Description=http://www.mouser.com/ds/2/212/KEM_A4007_ESY-1103537.pdf?src-supplier=Mouser, ComponentLink2URL=http://www.mouser.com/ds/2/212/KEM_A4007_ESY-1103537.pdf?src-supplier=Mouser, ComponentLink3Description=http://components.arrow.com/part/dataview/0323_06946698?src-supplier=Arrow+Europe, ComponentLink3URL=http://components.arrow.com/part/dataview/0323_06946698?src-supplier=Arrow+Europe, ComponentLink4Description=https://www.alliedelec.com/m/d/2f7883d23207e2a46fd2b27bea013c02.pdf?src-supplier=Allied+Electronics, ComponentLink4URL=https://www.alliedelec.com/m/d/2f7883d23207e2a46fd2b27bea013c02.pdf?src-supplier=Allied+Electronics, ComponentLink5Description=http://uk.rs-online.com/webdocs/13da/0900766b813da6ab.pdf?src-supplier=RSComponents, ComponentLink5URL=http://uk.rs-online.com/webdocs/13da/0900766b813da6ab.pdf?src-supplier=RSComponents, ComponentLink6Description=https://api.kemet.com/component-edge/download/specsheet/ESY107M050AG3AA.pdf?src-supplier=Digi-Key, ComponentLink6URL=https://api.kemet.com/component-edge/download/specsheet/ESY107M050AG3AA.pdf?src-supplier=Digi-Key, ComponentLink7Description=http://capacitoredge.kemet.com/capedge2/DataSheet?pn=ESY107M050AG3AA&src-supplier=Avnet, ComponentLink7URL=http://capacitoredge.kemet.com/capedge2/DataSheet?pn=ESY107M050AG3AA&src-supplier=Avnet, ComponentLink8Description=http://capacitoredge.kemet.com/capedge2/DataSheet/Datasheet-ESY107M050AG3AA.pdf?pn=ESY107M050AG3AA&src-supplier=Onlinecomponents.com, ComponentLink8URL=http://capacitoredge.kemet.com/capedge2/DataSheet/Datasheet-ESY107M050AG3AA.pdf?pn=ESY107M050AG3AA&src-supplier=Onlinecomponents.com, ComponentLink9Description=http://capacitoredge.kemet.com/capedge2/DataSheet?pn=ESY107M050AG3AA&src-supplier=Avnet+Europe, ComponentLink9URL=http://capacitoredge.kemet.com/capedge2/DataSheet?pn=ESY107M050AG3AA&src-supplier=Avnet+Europe, ComponentLink10Description=http://www.farnell.com/datasheets/2751412.pdf?src-supplier=Newark, ComponentLink10URL=http://www.farnell.com/datasheets/2751412.pdf?src-supplier=Newark, Diameter=8mm, Dissipation Factor=0.1%, Height=11mm, Height - Seated (Max)=0.492inch, Impedance=74mR, Lead/Base Style=Straight, Lead Diameter=0.6mm, Lead Length=20mm, Lead Pitch=3.5mm, Length=11mm, Life (Hours)=3000Hour, Mount="Through Hole,PCB", Packaging=Bulk, Pricing 1="1=0,44000, 10=0,30700, 50=0,21500, 100=0,18420, 500=0,13818, 1000=0,11668, 2500=0,11054, 5000=0,10440 (USD)", Radiation Hardening=No, RoHS=Yes, RoHS Compliant=Yes, Series=ESY, Stock 1=587, Supplier 1=Digi-Key, Termination=Radial, Voltage Rating=50V, Voltage Rating (DC)=50V